# Altium PCB Bran_Main_Assay_PCB_v2_20170726.PcbDoc (part 1 of 5) (continued)
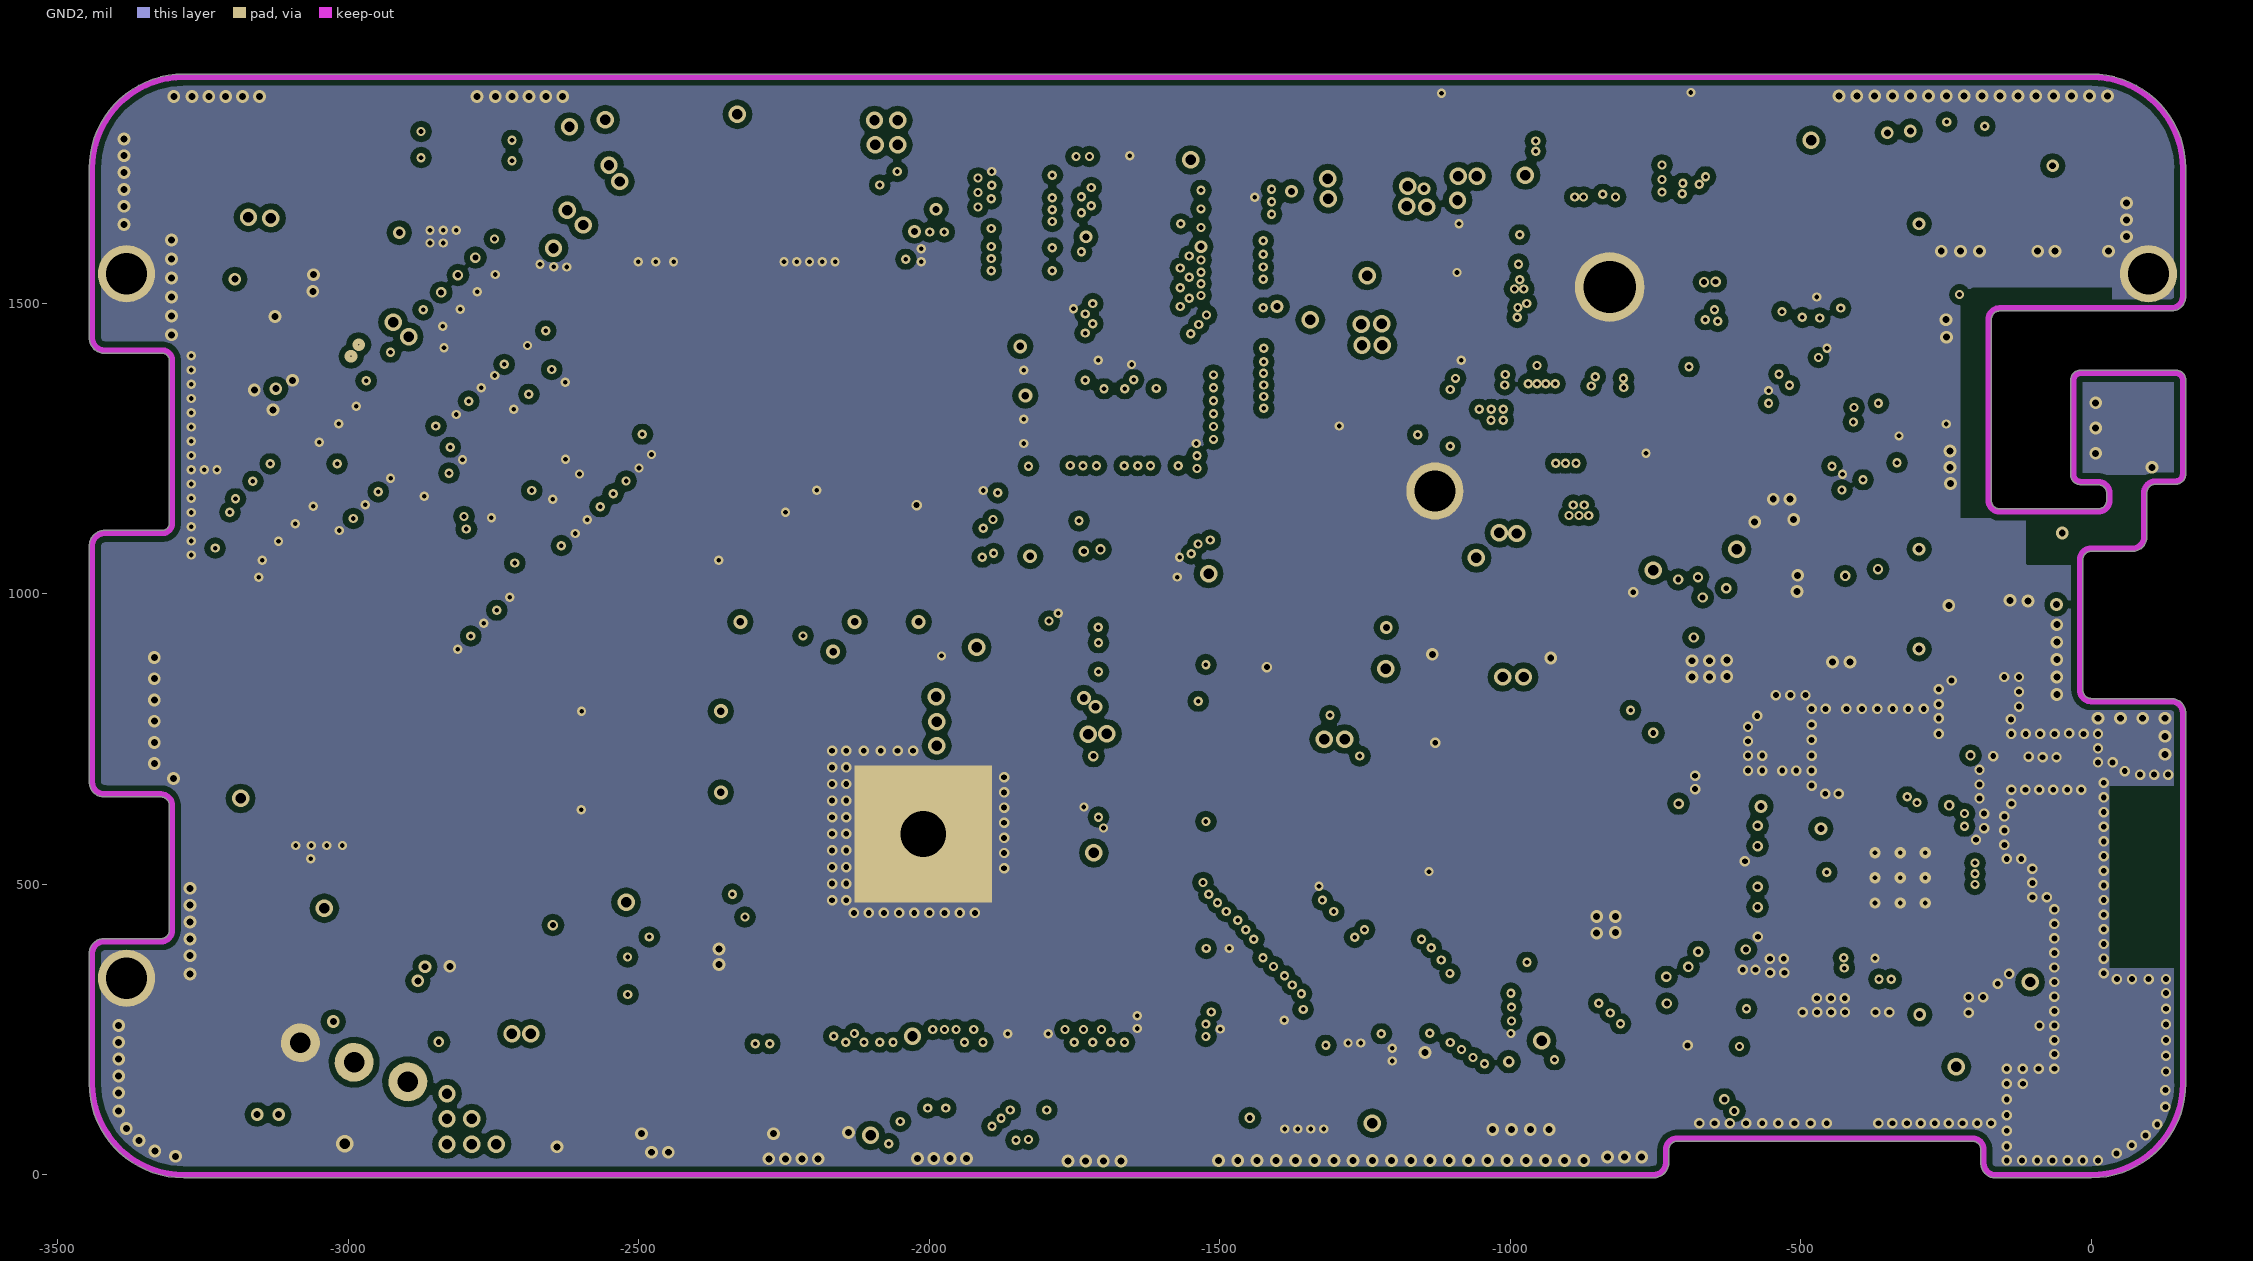
[diagram p5: GND2]
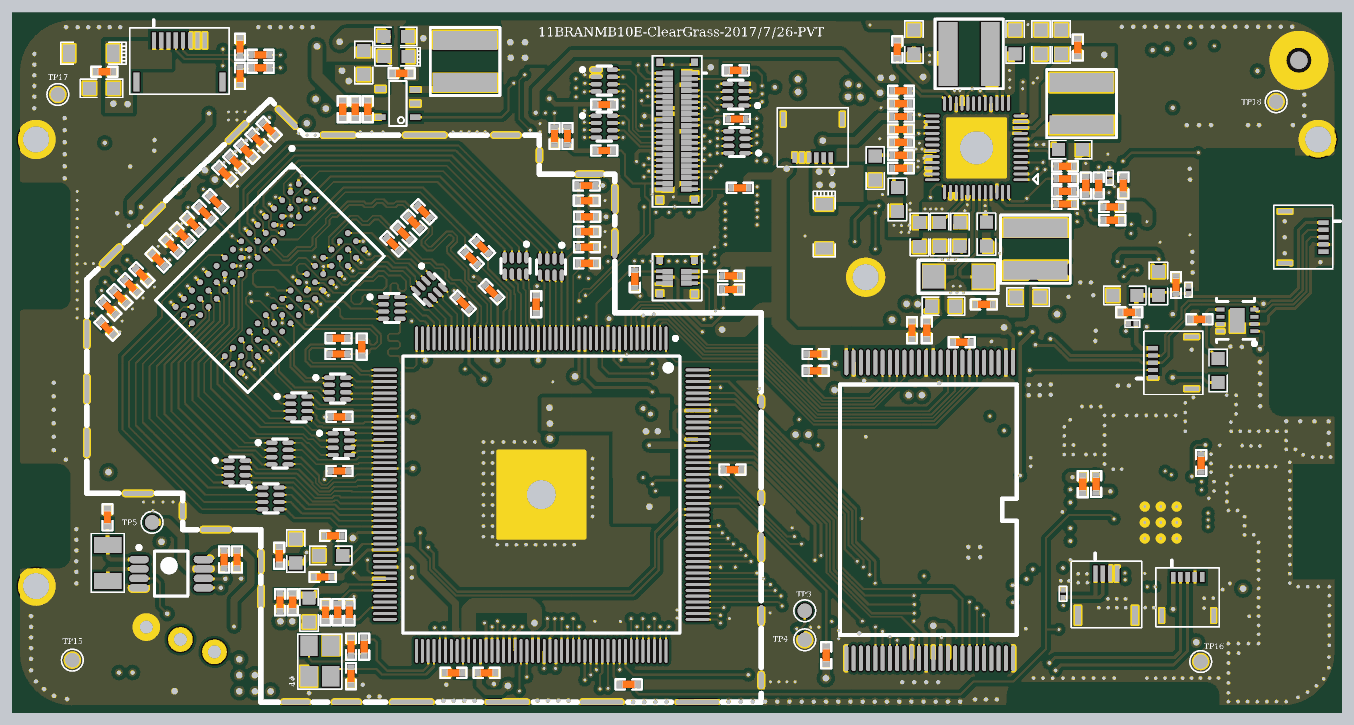
[diagram p10: 3D render of the assembled board from above, using the file's embedded part models]
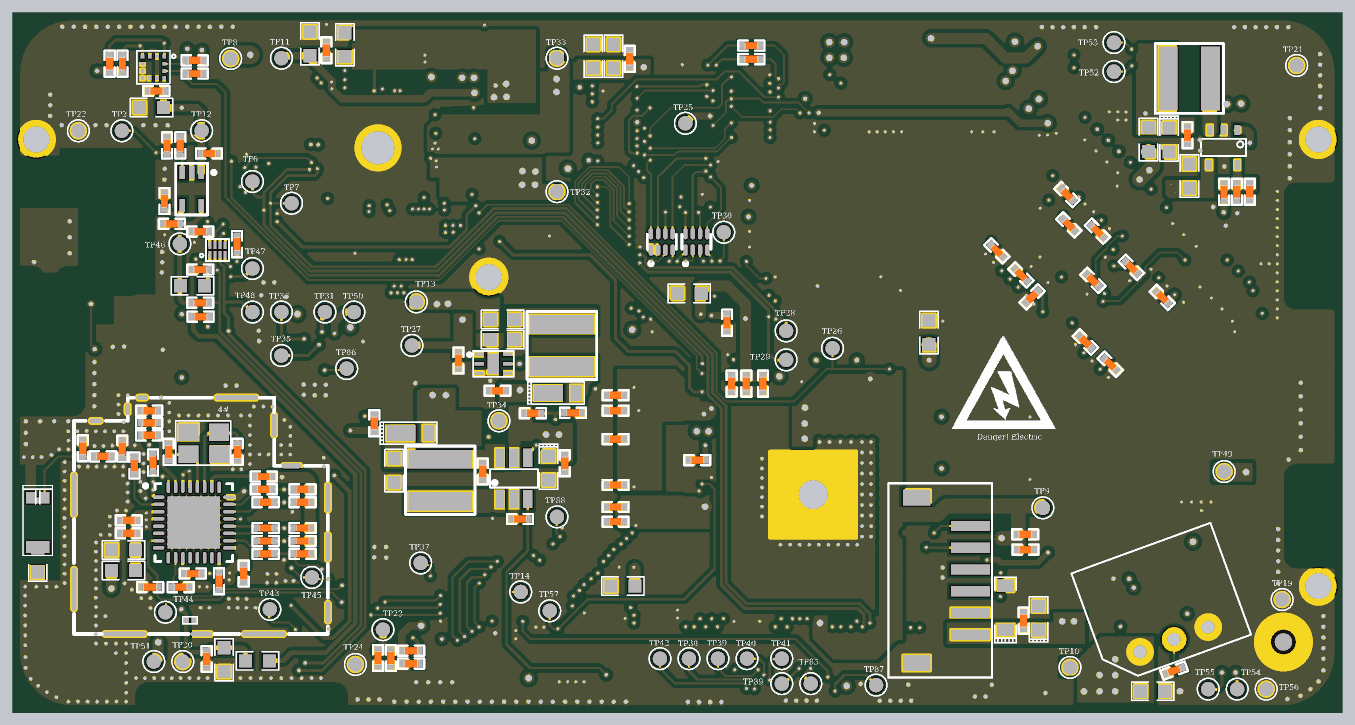
[diagram p11: 3D render of the assembled board from below, using the file's embedded part models]

## Layer stack, top to bottom
Solder Mask Top: solder mask 0.4, Solder Resist, Dk 3.5
TOP: signal copper 1.2
Dielectric1: core 5, FR-4, Dk 4.2
GND1: signal copper 1.35
Dielectric4: prepreg 5, FR-4, Dk 4.2
Singal: signal copper 1.35
Dielectric2: core 5, FR-4, Dk 4.2
POWER: signal copper 1.2
Dielectric3: prepreg 3.8583, FR-4, Dk 4.2
GND2: signal copper 1.35
Dielectric5: core 5, FR-4, Dk 4.2
BOTTOM: signal copper 1.2
Solder Mask Bottom: solder mask 0.4, Solder Resist, Dk 3.5

## Board outline
-3445.96,157.48 -3445.96,381.89 cw(c-3440.94,381.89) -3445.96,382.02 cw(c-3420.74,381.37) -3420.15,406.59 cw(c-3420.74,381.37) -3420.08,406.59 -3420.21,406.59 -3322.83,406.59 ccw(c-3322.83,421.26) -3308.16,421.23 cw(c-3303.15,421.26) -3308.16,421.26 -3308.16,635.97 ccw(c-3323.36,635.52) -3322.9,650.72 ccw(c-3323.36,635.52) -3322.96,650.72 -3322.9,650.72 -3421.31,650.72 cw(c-3421.31,655.73) -3422.71,650.92 cw(c-3421.31,675.52) -3445.96,675.52 -3445.96,1084.65 cw(c-3440.94,1084.65) -3445.94,1085.1 cw(c-3419.29,1082.68) -3417.11,1109.35 -3319.2,1109.35 ccw(c-3320.87,1122.05) -3308.06,1122.05 ccw(c-3320.87,1122.05) -3308.13,1123.46 cw(c-3303.15,1124.02) -3308.16,1124.02 -3308.16,1399.61 cw(c-3303.15,1399.61) -3308.13,1400.16 ccw(c-3320.87,1401.57) -3308.06,1401.57 ccw(c-3320.87,1401.57) -3319.2,1414.28 -3417.11,1414.28 cw(c-3419.29,1440.94) -3445.94,1438.52 cw(c-3440.94,1438.98) -3445.96,1439.01 -3445.96,1732.28 cw(c-3283.46,1732.28) -3283.46,1894.78 0,1894.78 cw(c0,1732.28) 162.5,1732.28 162.5,1511.81 ccw(c157.48,1511.81) 162.5,1511.84 162.5,1511.81 cw(c137.8,1511.81) 137.8,1487.11 -157.48,1487.11 ccw(c-157.48,1472.44) -172.15,1472.44 -172.15,1161.02 ccw(c-157.48,1161.02) -157.48,1146.35 11.81,1146.35 ccw(c11.81,1161.02) 26.48,1161.02 26.48,1173.23 cw(c31.5,1173.23) 26.48,1173.27 cw(c11.77,1173.27) 26.48,1173.24 26.48,1173.27 ccw(c11.77,1173.27) 26.48,1173.27 ccw(c11.77,1173.27) 11.8,1187.99 -16.73,1187.99 cw(c-16.73,1193) -18.17,1188.2 cw(c-18.65,1193.19) -18.65,1188.17 cw(c-18.65,1205) -35.48,1205 cw(c-30.46,1205) -35.43,1205.7 cw(c-30.43,1206) -35.44,1206 -35.44,1368.2 cw(c-18.61,1368.2) -18.61,1385.03 143.8,1385.03 cw(c143.8,1380.02) 144.74,1384.94 cw(c145.67,1380.02) 145.67,1385.03 cw(c145.67,1368.2) 162.5,1368.2 162.5,1206 cw(c157.48,1206) 162.33,1204.7 cw(c145.54,1205.81) 149.8,1189.54 cw(c147.54,1194.01) 147.54,1188.99 146.05,1188.99 cw(c145.54,1205.81) 145.54,1188.99 cw(c145.54,1194) 145.25,1188.99 110.31,1188.99 cw(c110.78,1173.78) 110.37,1188.99 110.31,1188.99 ccw(c110.78,1173.78) 95.56,1173.36 cw(c90.55,1173.23) 95.57,1173.23 cw(c90.55,1173.23) 95.57,1173.2 95.57,1098.03 cw(c90.55,1098.03) 95.57,1098.03 cw(c70.87,1098.04) 70.87,1073.35 0,1073.35 cw(c0,1078.36) -0.05,1073.35 ccw(c-0.19,1058.87) -14.67,1059.03 ccw(c-0.19,1058.87) -14.67,1059.01 -14.67,1059.06 -14.67,834.65 ccw(c0,834.65) 0,819.98 137.8,819.98 cw(c137.8,814.96) 138.68,819.9 cw(c137.8,795.21) 162.49,795.33 cw(c137.8,795.21) 162.5,795.21 162.5,795.28 ccw(c157.48,795.28) 162.49,795.33 162.5,795.28 162.5,157.48 cw(c0,157.48) 0,-5.01 -165.35,-5.01 cw(c-165.35,19.68) -190.05,19.68 -190.05,43.31 ccw(c-204.72,43.31) -204.72,57.98 -712.6,57.98 ccw(c-712.6,43.31) -727.27,43.31 -727.27,19.68 cw(c-732.28,19.68) -727.29,19.23 cw(c-753.94,21.65) -756.12,-5.01 -3283.46,-5.01 cw(c-3283.46,157.48)

## Design rules (kind name [scope] priority, off if disabled: settings)
Clearance Clearance_1 [InNet('VSSA')] p1: gap=6
Clearance [InPolygon] p2: gap=10
Clearance "Clearance - Default - DEFAULT- SMD" [IsVia vs IsSMTPin] p3: gap=6
Clearance "Clearance - Default - DEFAULT - Via" [IsVia vs IsVia] p4: gap=6
Clearance "Clearance - Default - DEFAULT - Net" [All] p5: gap=4
ComponentClearance "ComponentClearance - Default - DEFAULT" [All] p1: gap=6 collisioncheckmode=3 verticalgap=10 showdistances=FALSE
DiffPairsRouting "DiffPairsRouting - DiffPair - Default" [All] p1: maxlimit=8 minlimit=8 mostfreqgap=8 toplayer_minwidth=15 toplayer_maxwidth=15 toplayer_prefwidth=15 midlayer1_minwidth=15 midlayer1_maxwidth=15 midlayer1_prefwidth=15 midlayer2_minwidth=15 midlayer2_maxwidth=15 midlayer2_prefwidth=15 midlayer3_minwidth=15 midlayer3_maxwidth=15 midlayer3_prefwidth=15 midlayer4_minwidth=15 midlayer4_maxwidth=15 midlayer4_prefwidth=15 bottomlayer_minwidth=15 bottomlayer_maxwidth=15 bottomlayer_prefwidth=15 maxuncoupledlength=500
FanoutControl Fanout_Small [(CompPinCount < 5)] p3: bgadir=Out bgaviamode=Centered fanoutstyle=Auto fanoutdirection=OutThenIn viagrid=1 // Fanout_Small (Default Rule)
FanoutControl Fanout_SOIC [IsSOIC] p4: bgadir=Out bgaviamode=Centered fanoutstyle=Auto fanoutdirection=Alternating viagrid=1 // Fanout_SOIC (Default Rule)
HoleToHoleClearance "HoleToHoleClearance - Default - DEFAULT" [All] p1: gap=6 allowstackedmicrovias=TRUE
Length "Default Length" [All] p1: maxlimit=50000 minlimit=0
MaxMinImpedance "Default Impedance" [All] p1: minimum=50.00 maximum=150.0
ParallelSegment "Default Parallel Segment Same Layer" [All] p1: limit=1000 gap=200
ParallelSegment "Default Parallel Segment Adjasent" [All] p2: limit=1000 gap=200
PlaneConnect "Default PlaneConnect" [All] p1: planeconnectstyle=Relief reliefexpansion=20 reliefentries=0 reliefconductorwidth=10 reliefairgap=10
PolygonConnect [All] p1: connectstyle=Direct reliefconductorwidth=20 reliefentries=4 polygonreliefangle="90 Angle" airgapwidth=10
PolygonConnect "PolygonConnect - Default SMT" [IsSMTPin] p2: connectstyle=Relief reliefconductorwidth=10 reliefentries=4 polygonreliefangle="90 Angle" airgapwidth=10
PolygonConnect "PolygonConnect - Default Pad" [All] p3: connectstyle=Relief reliefconductorwidth=10 reliefentries=4 polygonreliefangle="90 Angle" airgapwidth=10
RoutingLayers "RoutingLayers - Default - DEFAULT" [All] p1: top layer_v5=TRUE mid layer 1_v5=TRUE mid layer 2_v5=TRUE mid layer 3_v5=TRUE mid layer 4_v5=TRUE bottom layer_v5=TRUE
RoutingPriority "RoutingPriority - Default - DEFAULT" [All] p1: routingpriority=0
RoutingTopology "Default Routing Topology" [All] p1: topology=Shortest
RoutingVias "RoutingVias - Default - DEFAULT" [All] p1: holewidth=28 width=50 viastyle="Through Hole" minholewidth=28 minwidth=50 maxholewidth=28 maxwidth=50
SMDToCorner "SMDToCorner - Default - DEFAULT" [All] p1: distance=60000
SolderMaskExpansion [All] p1: expansion=4
Width "Default Width" [All] p1: maxlimit=80 minlimit=4 preferedwidth=6
21 further rules are at their usual default settings.

## Components (designator, comment, footprint, x,y, rotation, side; value= is the part's Value field where it differs from the comment)
A1 "ASC_RFANT3216120A5T_V07" 3216 94.49,511.81 r270 bottom
C1 "1uF" C_0402 -2563.3,267.99 r90 top
C2 "10uF" C_0603 -2676.94,433.99 r270 top
C3 "104" C0402 -2721.94,420.99 r270 top
C4 "4.7uF" C_0603 -2640.78,273.63 r90 top
C5 "104" C_0402 -2685.31,294.91 r90 top
C7 "104" C_0402 -1491.45,654.74 r180 top
C8 "10uF" C_0603 -2581.94,421.99 r0 top
C9 "104" C_0402 -2575.94,474.99 r0 top
C10 "104" C_0402 -2604.02,363.31 r0 top
C15 "4.7uF" C_0603 -1493.65,338.83 r0 bottom
C16 "1uF" C_0402 -1776.45,1053.74 r90 bottom
C17 "104" C_0402 -2249.02,103.31 r0 top
C18 "1uF" C_0402 -1695.65,680.83 r180 bottom
C19 "104" C_0402 -2159.02,103.31 r180 top
C20 "4.7uF" C_0603 -1674.02,1133.31 r180 bottom
C21 "1uF" C_0402 -1829.02,888.31 r90 bottom
C22 "1uF" C_0402 -1789.02,888.31 r90 bottom
C23 "1uF" C_0402 -1874.02,888.31 r90 bottom
C24 "104" C_0402 -1474.02,613.31 r180 bottom
C25 "104" C_0402 -1474.02,737.83 r180 bottom
C26 "104" C_0402 -1474.02,814.83 r180 bottom
C27 "104" C_0402 -1474.02,856.83 r180 bottom
C28 "1uF" C_0402 -1474.02,513.31 r180 bottom
C29 "104" C_0402 -2585.94,478.99 r0 bottom
C30 "104" C_0402 -1474.02,553.31 r180 bottom
C31 "104" C0402 -2836.46,411 r90 top
C32 "NC" C0402 -3188.02,525.46 r270 top
C33 "1uF" C_0402 -2558.15,798.17 r0 top
C34 "1uF" C_0402 -2145.43,1137.92 r315 top
C35 "104" C_0402 -2024.43,1103.92 r270 top
C36 "104" C_0402 -2558.17,651 r0 top
C37 "18pF-1%" C_0402 -2527.02,94.31 r90 top
C38 "18pF-1%" C_0402 -2527.02,174.31 r270 top
C39 "4.7uF" C_0603 -802.46,1294 r270 top
C40 "10uF" C_0603 -984.02,1293.31 r90 top
C41 "4.7uF" C_0603 -2932.02,53.31 r0 bottom
C42 "1uF" C_0402 -809.02,1103.31 r180 top
C43 "47pF" C_0402 -3125.45,1408.83 r90 bottom
C44 "10uF" C_0603 -689.02,1123.31 r0 top
C45 "10uF" C_0603 -919.02,1098.31 r180 top
C46 "10uF" C_0603 -599.02,1815.83 r90 top
C47 "10uF" C_0603 -574.02,1523.31 r0 top
C48 "102" C_0402 -554.02,1800.83 r90 top
C49 "4.7uF" C_0402 -2222.41,1106.89 r135 top
C50 "4.7uF" C_0603 -3031.45,1451.74 r90 bottom
C51 "0.01uF" C_0402 -3026.45,1562.74 r270 bottom
C52 "10uF" TAN_0603 -2976.45,1549.74 r270 bottom
C53 "10uF" C_0603 -1044.02,1388.31 r270 top
C54 "10uF" C_0603 -1104.02,1473.31 r270 top
C55 "10uF" C_0603 -739.02,1808.31 r90 bottom
C56 "102" C_0402 -689.02,1793.31 r90 bottom
C57 "10uF" C_0603 -724.02,1815.83 r90 top
C58 "47pF" C_0402 -2515.46,1633 r270 top
C59 "1uF" C_0402 -1034.02,1543.31 r0 top
C60 "1uF" C_0402 -1034.02,1578.31 r180 top
C61 "4.7uF" C_0603 -644.02,1810.83 r90 bottom
C62 "1uF" C_0402 -1034.02,1683.31 r0 top
C63 "4.7uF" C_0603 -874.02,1293.31 r90 top
C64 "4.7uF" C_0603 -2492.45,1759.74 r90 top
C65 "0.01uF" C_0402 -2389.45,1730.74 r180 top
C66 "22uF" TAN_0603 -2404.45,1775.74 r180 top
C67 "4.7uF" C_0603 -999.02,1815.83 r90 top
C68 "10uF" C_0603 -929.02,1293.31 r270 top
C69 "4.7uF" C_0603 -654.02,1815.83 r270 top
C70 "102" C_0402 -589.02,1376 r180 top
C71 "1uF" C_0402 -1034.02,1648.31 r0 top
C81 "104" C_0402 -2923.43,1351.92 r135 top
C82 "104" C_0402 -1886.05,1341.38 r180 top
C83 "104" C_0402 -2956.43,1321.92 r315 top
C84 "104" C_0402 -1886.98,1385.05 r0 top
C85 "104" C_0402 -2574.43,1183.92 r45 bottom
C86 "104" C_0402 -2509.43,1248.92 r225 bottom
C87 "104" C_0402 -2957.81,1122.58 r45 bottom
C88 "104" C_0402 -2604.43,1123.9 r315 bottom
C89 "104" C_0402 -2874.43,1203.92 r225 bottom
C90 "104" C_0402 -3189.43,1038.92 r315 top
C91 "104" C_0402 -3184.43,1093.92 r315 top
C92 "104" C_0402 -3154.43,1123.92 r315 top
C93 "104" C_0402 -3124.43,1153.92 r315 top
C94 "104" C_0402 -3094.43,1183.92 r315 top
C95 "104" C_0402 -3013.43,1261.92 r135 top
C96 "104" C_0402 -2769.43,1168.92 r45 bottom
C97 "104" C_0402 -2749.31,1001.73 r45 bottom
C98 "104" C_0402 -2817.11,941.24 r225 bottom
C99 "104" C_0402 -2782.35,1301.92 r225 bottom
C100 "104" C_0402 -2699.43,1401.92 r45 bottom
C101 "104" C_0402 -2704.43,1318.92 r225 bottom
C102 "104" C_0402 -2869.43,1458.92 r315 top
C103 "104" C_0402 -2839.43,1488.92 r315 top
C104 "104" C_0402 -2809.43,1518.92 r315 top
C105 "104" C_0402 -2779.43,1548.92 r315 top
C106 "104" C_0402 -2749.43,1578.92 r315 top
C109 "10pF" C_0402 -2497.83,988.64 r270 top
C111 "104" C_0402 -1265.65,922.83 r180 top
C116 "104-50V" C_0402 -1153.46,869 r180 bottom
C117 "1uF" C_0402 -2586.65,437.83 r180 bottom
C120 "104" C_0402 -1974.45,1560.74 r90 top
C121 "10uF" C_0603 -1413.46,1777 r270 bottom
C122 "10uF" C_0603 -1468.46,1777 r270 bottom
C123 "104" C_0402 -1512.46,1770 r270 bottom
C142 "4.7uF" C_0603 -2324.65,1026.83 r270 bottom
C145 "104" C_0402 -3196.46,1735 r0 top
C146 "4.7uF" C_0603 -3204.46,1690 r0 top
C148 "104" C_0402 -1886.43,1258.92 r180 top
C152 "4.7uF" C_0603 -214.45,1637.83 r180 bottom
C154 "104" C_0402 -287.46,1156 r270 top
C155 "4.7uF" C_0603 -335.46,1160 r270 top
C156 "104" C_0402 -414.46,1082 r180 top
C157 "4.7uF" C_0603 -426.46,1128 r180 top
C158 "104" C0402 -2581.46,245 r270 bottom
C159 "22uF" TAN_0603 -2622.46,252 r90 bottom
C174 "10uF" C_0603 -138.46,437 r0 bottom
C175 "1uF" C_0402 -218.46,674 r90 bottom
C176 "0.1uF" C_0402 -152.46,517 r0 bottom
C204 "1uF" C0402 -964.02,1033.31 r270 top
C207 "104" C0402 -1004.02,1033.31 r270 top
C208 "1uF" C0402 -864.02,143.31 r90 bottom
C209 "104" C0402 -829.02,143.31 r90 bottom
C213 "6.8pF" C0402 -81.94,690.99 r0 bottom
C215 "2nH" C_0402 -134.94,711.99 r90 bottom
C216 "2.4pF" C_0402 -27.94,712.99 r90 bottom
C220 "3.3pF" C_0402 -260.94,703 r90 bottom
C221 "3.3pF" C_0402 -447.94,702.99 r270 bottom
C225 "10uF" C_0603 -873.02,652.1 r270 bottom
C226 "22uF" TAN_0603 -1292.02,659.1 r270 bottom
C227 "0.1uF" C_0402 -1113.3,649.99 r270 bottom
C228 "0.1uF" C_0402 -1336.02,672.1 r270 bottom
C235 "1uF" C_0402 -370.46,1513 r180 bottom
C236 "1uF" C_0402 -269.46,1322 r0 bottom
C237 "0.01uF" C_0402 -249.46,1384 r90 bottom
C238 "0.1uF" C_0402 -224,1063 r180 top
C240 "104" C_0402 -227.45,1682.83 r180 bottom
C241 "0.1uF" C_0402 -346.46,1301 r0 bottom
C242 "0.1uF" C_0402 -346.46,1198 r0 bottom
C243 "0.1uF" C_0402 -540.54,615.35 r90 top
C244 "10nF" C_0402 -219.46,673 r270 top
C245 "3.3nF" C_0402 -207.94,747.99 r180 bottom
C246 "0.1uF" C_0402 -326.3,372.99 r180 bottom
C247 "1uF" C_0402 -152.46,482 r0 bottom
C248 "104" C_0402 -363.94,140.99 r90 bottom
C249 "4.7uF" C_0603 -411.46,138.94 r90 bottom
C250 "1uF" C_0402 -464.46,373 r270 bottom
C251 "10uF" C_0603 -1167.46,1008 r180 bottom
D2 "VS5V0BC1EST15R" 0201 -594,318 r90 top
D4 "VS5V0BC1EST15R" 0201 -467.46,1447 r90 top
D5 "RSA5M" SOD-123 -1242.3,1314.99 r90 top
D6 "RSA5M" SOD-123 -3232.46,1785 r0 top
D7 "VMNZC68CST2RA" ESD_0402 -2828.45,1802.74 r90 top
D8 "VMNZC68CST2RA" ESD_0402 -2828.45,1723.74 r270 top
D12 "SS14/IN5819" PROGRAM_1/2 -1329.46,863 r90 bottom
D13 "VS5V0BC1EST15R" 0201 -254,1143 r90 top
D14 "RSA5M" SOD-123 -2532.46,280 r270 bottom
D15 "VS5V0BC1EST15R" 0201 -406,1051 r180 top
D18 "1N5819" PROGRAM_1/2 -929.02,754.1 r90 bottom
D19 "VS5V0BC1EST15R" 0201 -319,246 r180 bottom
J1 "046298704220883+" FPC_CON4-KYOCERA -476.38,315.94 r90 top locked
J2 "BATTARY" BL-5C -2990.16,193.82 r160 bottom locked
J3 "50340-08-0600" 503480-0600 -1273.62,1554.13 r270 top
J4 "046298708220883+" FPC_CON8-KYOCERA -2992.83,1763.58 r90 top locked
J5 "50340-08-0500" 503480-0500 60.54,1286 r0 top locked
J6 "CI1506M1HR0-NH" WTB_SIDE_6PIN -2291.34,129.92 r90 bottom locked
J7 "50340-08-0500" 503480-0500 -297.43,944.89 r180 top locked
J15 "CON" 503480-0620 -1641.73,1177.17 r270 top locked
J16 "AT070TN93" 503304-4240 -1641.73,1573.62 r270 top locked
J17 "50340-08-0500" 503480-0500 -255.91,311.02 r90 top locked
L1 "2.2uH-DCR<0.1R-1.5A/ELL4LG2R2NA" CD32 -669.02,1253.31 r90 top
L2 "4.7uH-DCR<0.1R-1.5A/ELL4LG2R2NA" CD32 -544.02,1648.31 r90 top
L3 "2.2uH-DCR<0.1R-1.5A/ELL4LG2R2NA" CD32 -3031.45,1716.74 r180 bottom
L4 "4.7uH-DCR<0.1R-1.5A/ELL4LG2R2NA" CD32 -849.02,1783.31 r180 top
L5 "2.2uH-DCR<0.1R-1.5A/ELL4LG2R2NA" CD32 -2217.45,1762.74 r270 top
L7 "10uH-DCR<0.1R-1.5A/ELL4LG100MA" CD32 -1328.46,992 r270 bottom
L12 "600R-1.5A" L_0603 -2405.45,1830.74 r0 top
L13 "600R-1.5A" L_0603 -2920.45,1550.74 r90 bottom
L18 "2.2uH-DCR<0.1R-1.5A/ELL4LG2R2NA" CD32 -998.02,626.1 r270 bottom
L19 "600R-1.5A" L_0603 -1167.46,1063 r0 bottom
M1 "Bad Mark" MARK_POINT#1 46.06,1765.99 r0 top
M2 "Bad Mark" MARK_POINT#2 -3286.94,186.99 r180 bottom
R1 "200K-1%" R_0402 -2719.93,294.72 r90 top
R2 "0R" R_0402 -2596.3,267.99 r270 top
R3 "1K" R_0402 -135.45,1756.83 r90 bottom
R4 "1K" R_0402 -100.45,1756.83 r90 bottom
R5 "2.2K" R_0402 -1495.3,1143.99 r180 top
R6 "2.2K" R_0402 -1495.45,1180.74 r180 top
R7 "4.7K" R_0402 -460.46,1332 r180 top
R8 "4.7K" R_0402 -460.46,1368 r180 top
R9 "0R" R_0402 -2491.46,174.31 r270 top
R11 "0R03" R_1206 -879.02,1178.31 r180 top
R12 "100K-1%" R_0402 -3195.45,1409.06 r90 bottom
R13 "150K-1%" R_0402 -3160.45,1409.06 r270 bottom
R14 "1R" R_0402 -1034.02,1473.31 r0 top
R15 "1R" R_0402 -1034.02,1508.31 r180 top
R17 "100K-1%" R_0402 -2481.46,1633 r270 top
R18 "442K-1%" R_0402 -2549.46,1633 r90 top
R19 "200K-1%" R_0402 -1044.02,1795.83 r270 top
R21 "47K" R_0402 -589.01,1444.21 r0 top
R22 "1K" R_0402 -589.01,1410.11 r0 top
R23 "47K" R_0402 -1034.02,1613.31 r180 top
R28 "510R" R_0402 -430.3,1425.99 r270 top
R32 "NC/0R-1%" R_0402 -919.02,163.31 r180 bottom
R34 "10K" R_0402 -869.02,1000.83 r0 top
R35 "NC/0R-1%" R_0402 -919.02,128.31 r0 bottom
R39 "10K" R_0402 -1265.65,968.83 r180 top
R44 "33R" R_0402 -1842.46,1806 r180 bottom
R45 "33R" R_0402 -1482.45,1738.74 r0 top
R46 "33R" R_0402 -1842.46,1769 r180 bottom
R50 "5R-1%" R_0402 -1047.46,951 r90 bottom
R54 "33R" R0402 -1479.45,1606.74 r0 top
R55 "10K" R_0402 -1939.45,1560.74 r270 top
R65 "24R-1%" R_0402 -2560.82,968.65 r180 top
R68 "24R-1%" R_0402 -2560.83,1011.66 r180 top
R71 "240R-1%" R_0402 -3050.43,1224.92 r315 top
R72 "24R-1%" R_0402 -2329.43,1354.92 r135 top
R73 "24R-1%" R_0402 -2356.43,1325.92 r135 top
R74 "24R-1%" R_0402 -2384.43,1295.92 r135 top
R75 "24R-1%" R_0402 -2413.43,1267.92 r135 top
R76 "24R-1%" R_0402 -2200.43,1228.92 r135 top
R77 "24R-1%" R_0402 -2170.43,1258.92 r135 top
R79 "10K" R_0402 -1839.46,1521 r0 top
R80 "10K" R_0402 -1471.45,1419.74 r180 top
R81 "10K" R_0402 -1839.46,1646 r0 top
R86 "2K-1%" R_0402 -2894.43,1381.92 r135 top
R89 "2K-1%" R_0402 -1887.5,1426.27 r0 top
R90 "2K-1%" R_0402 -2984.43,1291.92 r315 top
R91 "2K-1%" R_0402 -1886.05,1300.88 r180 top
R94 "240R-1%" R_0402 -1886.43,1214.92 r180 top
R99 "10K" R_0402 -1237.02,150.83 r270 top
R129 "10K" R_0402 -331.45,1730 r0 bottom
R130 "10K" R_0402 -331.45,1765.83 r0 bottom
R131 "10K" R_0402 -819.02,780.83 r90 bottom
R151 "0R" R_0402 -589.02,1478.31 r180 top
R155 "12K-1%" R_0402 -207.94,814.99 r180 bottom
R156 "0R-1%" R_0402 -167.94,665.99 r90 bottom
R157 "0R" R_0402 -2772.45,1745.74 r0 top
R158 "0R" R_0402 -2772.45,1780.74 r0 top
R160 "0R-1%" R_0603' 94.49,409.45 r270 bottom
R168 "200R-1%" R_0402 -524.02,426.31 r0 bottom
R169 "200R-1%" R_0402 -524.02,461.31 r0 bottom
R170 "200R-1%" R_0402 -524.02,496.31 r0 bottom
R171 "200R-1%" R_0402 -1773.46,72 r0 top
R172 "200R-1%" R_0402 -524.02,566.31 r0 bottom
R173 "200R-1%" R_0402 -519.08,601.54 r0 bottom
R176 "0R-1%" R_0603 -138.46,381 r180 bottom
R177 "1K-1%" R_0402 -1756.46,1172 r270 top
R178 "NC/100R-1%" R_0402 -2990.02,109.1 r160 bottom
R179 "10K-1%" R_0402 -624.46,496.31 r0 bottom
R180 "100K-1%" R_0402 -210.46,336 r0 bottom
R181 "100K" R_0402 -2531.3,267.99 r90 top
R188 "200K-1%" R_0402 -1358.46,809 r0 bottom
R189 "1.8M-1%" R_0402 -1249.46,808 r0 bottom
R190 "100K-1%" R_0402 -1214.45,520.83 r0 bottom
R194 "10K" R_0402 -2871.46,411 r90 top
R195 "0R-1%" R_0603 -325.46,1154 r0 bottom
R196 "10K-1%" R_0402 -346.46,1108 r180 bottom
R197 "10K-1%" R_0402 -347.46,1070 r180 bottom
R198 "0R-1%" R_0603 -501.94,135.99 r180 bottom
R199 "10K-1%" R_0402 -292.46,1535 r270 bottom
R200 "0R-1%" R_0402 -293.46,336 r0 bottom
R201 "0R-1%" R_0402 -504.46,616 r270 top
R202 "20K-1%" R_0402 -207.94,781.99 r180 bottom
R203 "0R-1%" R_0402 -397.46,352 r90 bottom
R204 "0R-1%" R_0402 -518.9,636.17 r180 bottom
R205 "10K-1%" R_0402 -624.47,601.31 r180 bottom
R206 "10K-1%" R_0402 -624.47,566.31 r180 bottom
R207 "10K-1%" R_0402 -624.47,461.31 r180 bottom
R208 "10K-1%" R_0402 -624.47,426.31 r180 bottom
R209 "10K-1%" R_0402 -446.46,1267 r270 bottom
R210 "100K-1%" R_0402 -256.46,1535 r90 bottom
R211 "47K" R_0402 -532.46,1426 r90 top
R212 "0R" R_0402 -497.46,1426 r90 top
R213 "0R-1%" R_0603 -173,924 r90 top
RN1 "24R*4" RCA50-8/3 -2416.43,1093.92 r0 top
RN2 "100R*4" RCA50-8/3 -1479.45,1543.74 r180 top
RN3 "24R*4" RCA50-8/3 -1984.43,1204.91 r270 top
RN4 "33R*4" RCA50-8/3 -2563.43,874.92 r0 top
RN5 "24R*4" RCA50-8/3 -2314.43,1144.92 r315 top
RN6 "24R*4" RCA50-8/3 -2080.44,1207.92 r270 top
RN7 "100R*4" RCA50-8/3 -1482.45,1672.74 r180 top
RN8 "100R*4" RCA50-8/3 -1839.46,1711 r0 top
RN9 "100R*4" RCA50-8/3 -1839.46,1586 r0 top